# EAGLE board working (EAGLE 9.6.2), part 17 of 28
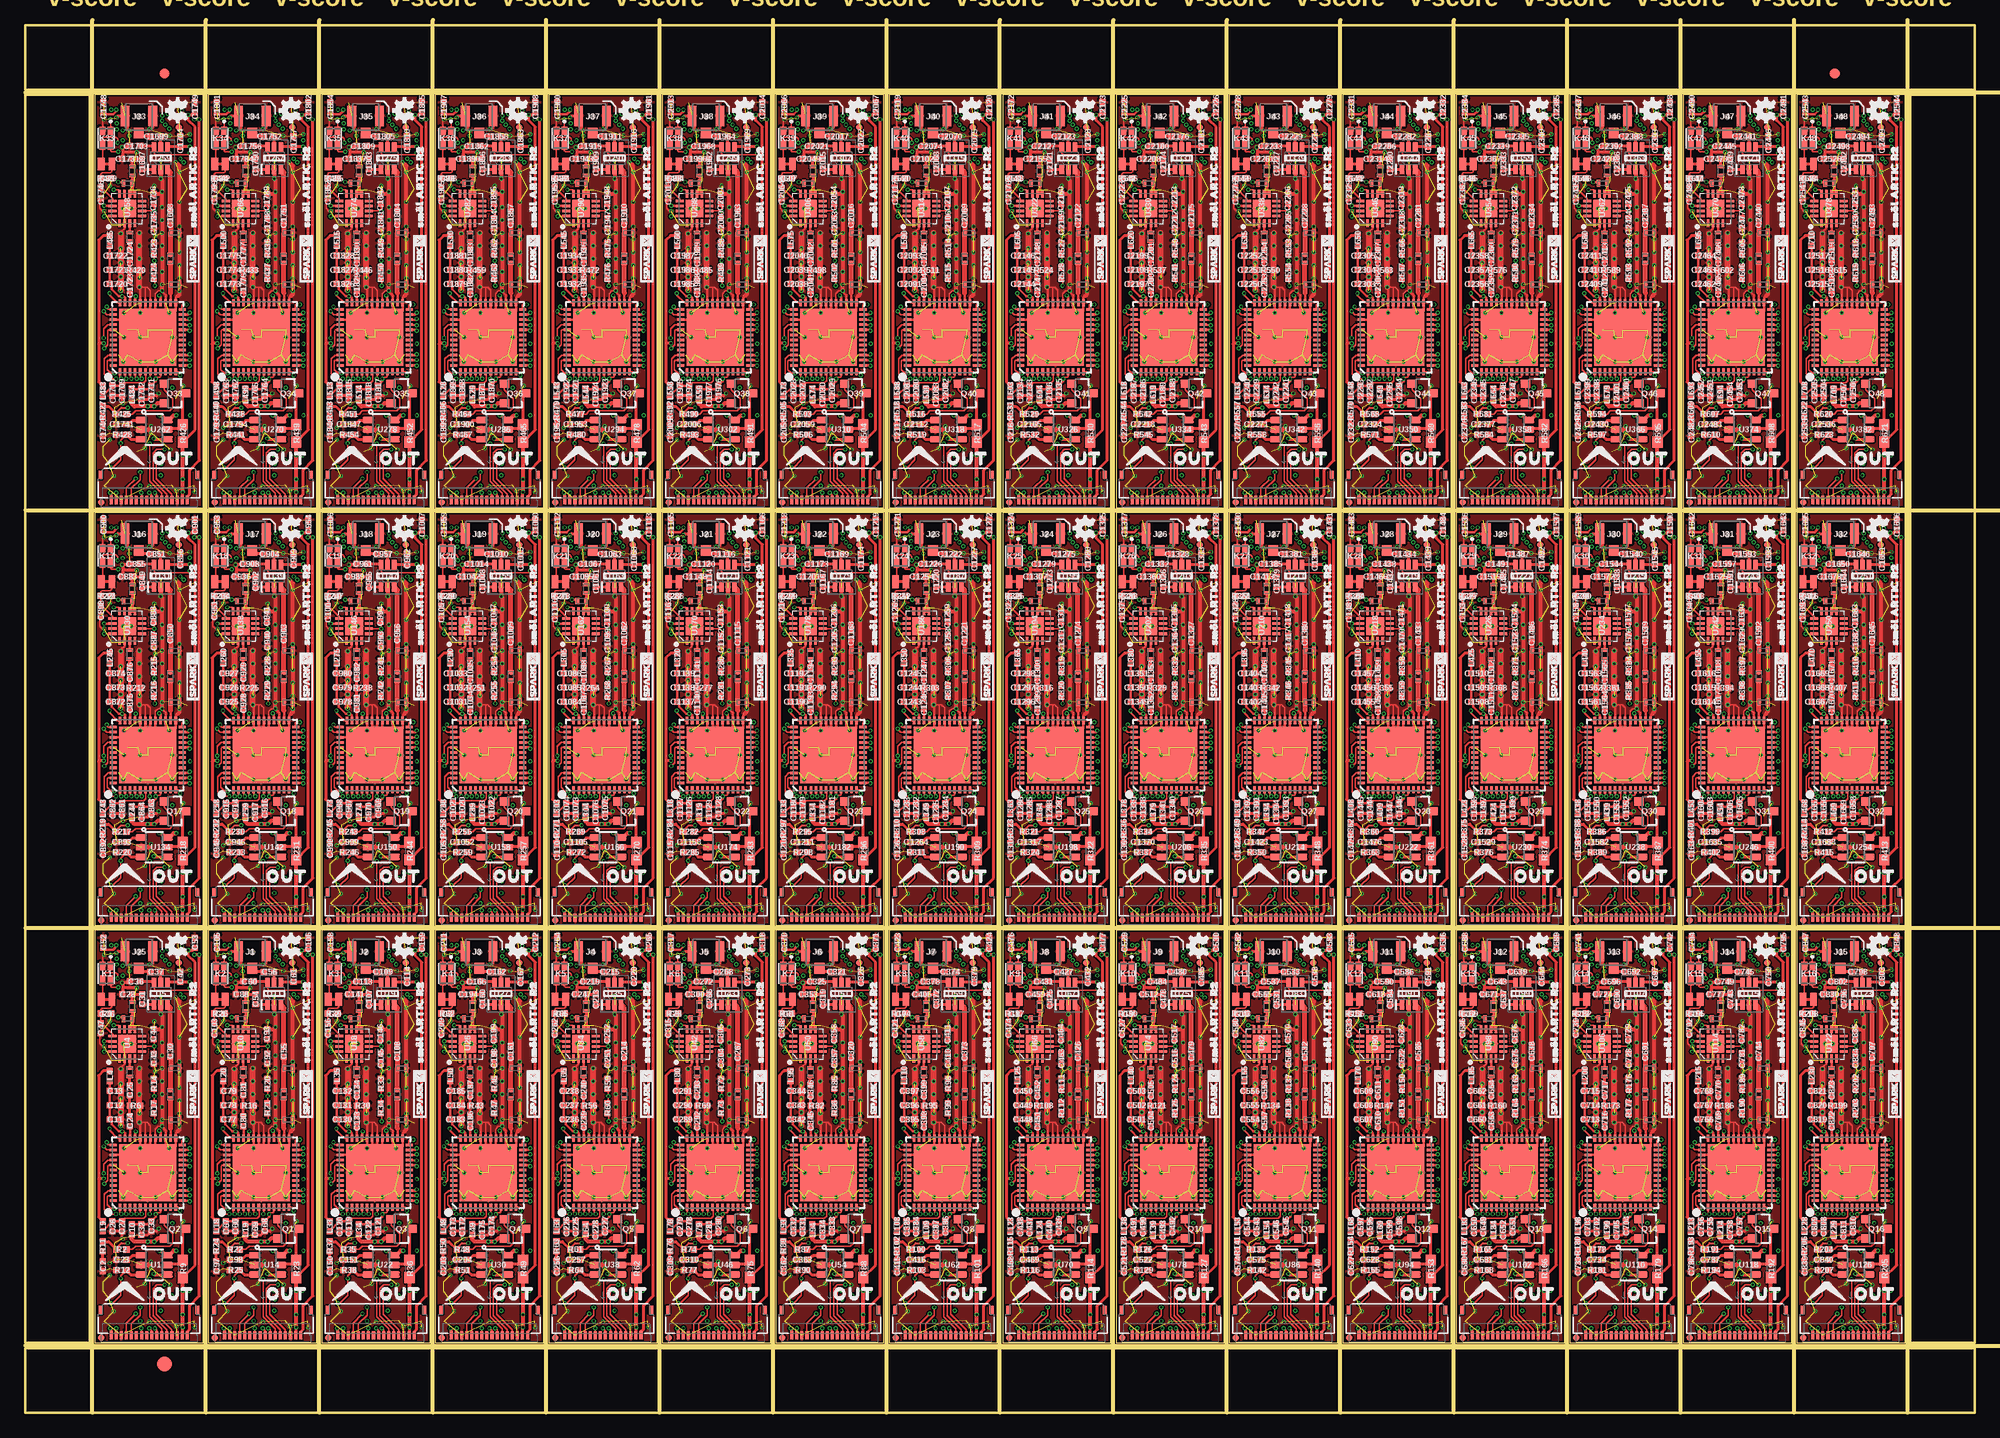
[diagram p0: board, top side]
## Tracks (layer width: path | path; a pad name or v marks a point on that pad's centre or on a via) (continued)
GND20  (via drill 0.2)  (89 unrouted) (continued)
  Bottom 0.152: U167.4 60.44,59.83 v60.26,60.01 | v54.23,83.5 53.47,83.5 52.46,82.49 R265.2 C1089.1 52.46,80.26 v53.02,79.69 | X21.2 53,65.1 51.82,65.1 | C1065.2 51.82,54.61 51.82,62.05 | 51.82,65.1 51.82,68.27 52,68.45 C1078.2 52.59,68.45 53.49,67.55 53.83,67.55 54.2,67.18 v54.42,67.18 | 51.82,65.1 51.82,62.05 | R263.2 51.83,62.05 51.82,62.05
  Bottom 0.254: X21.1 54.8,65.15 v54.42,64.77
  Bottom 0.305: C1109.2 58.36,58.74 v57.85,59.25
  Bottom 0.406: v53.02,55.88 53.02,55.37 U164.2 53.02,55.25 v53.02,54.67
  other vias: 59.88,70.61 59.88,69.34 59.88,73.15 59.88,74.42 56.01,64.77 54.36,62.36 56.01,62.36 57.53,62.36 59.18,62.36 59.88,71.88 54.1,69.34 54.36,77.47 55.12,77.47 57.4,79.69 60.9,84.77 58.04,82.17 59.88,78.11 59.88,81.03 59.56,49.66 61.4,49.53 56.45,53.85 59.88,86.49 59.18,64.77 56.9,50.1 53.4,51.12 58.99,53.72 58.86,67.18 58.93,84.65 57.49,74.76 52.9,52.39
  cutout Route2 (isolate 0.305): 58.42,81.79 59.56,81.79 59.56,69.09 59.31,68.83 59.31,67.69 58.67,67.69 58.67,68.96 58.42,69.22
  pour Top (isolate 0.152, rank 3): 51.56,88.65 62.23,88.65 62.23,48.01 51.56,48.01
  pour Route2 (isolate 0.152, rank 2): 51.56,88.65 62.23,88.65 62.23,48.01 51.56,48.01
  pour Route15 (isolate 0.152, rank 2): 51.56,88.65 62.23,88.65 62.23,48.01 51.56,48.01
  pour Bottom (isolate 0.152, rank 2): 51.56,88.65 62.23,88.65 62.23,48.01 51.56,48.01
  pour Top (isolate 0.102): 53.85,76.33 56.26,76.33 56.26,67.44 53.85,67.44
  pour Top (isolate 0.102): 57.98,81.79 60.07,81.79 60.07,67.44 57.98,67.44
  pour Top (isolate 0.102): 54.48,82.74 57.98,82.74 57.98,78.3 54.48,78.3
  pour Top (isolate 0.102): 53.91,87.76 58.48,87.76 58.48,82.74 53.91,82.74
GND21  (via drill 0.2)  (89 unrouted)
  Top 0.152: U169.30 68.2,69.41 67.88,69.72 67.69,69.72 | v67.12,69.72 67.69,69.72 | U169.31 67.7,69.72 67.69,69.72 | U169.29 68.68,68.19 68.68,69.06 68.96,69.34 v69.34,69.34 | v63.63,77.22 63.44,77.22 63.18,77.47 63.18,78.37 C1163.1 | K22.2 63.48,86.09 v63.63,86.23
  Top 0.203: U170.2 65.66,75.51 65.28,75.12 v65.28,74.99
  Top 0.254: v69.34,69.34 69.34,69.28 69.7,68.93 U169.27 69.7,67.08 69.72,67.06 | 70.87,68.83 70.7,68.66 U169.25 70.7,67.39 70.36,67.06 69.72,67.06 | v67.2,67.2 U169.32 67.2,69.65 v67.12,69.72 | v67.2,67.2 v67.18,67.18 | U169.39 65.35,66.52 65.59,66.76 v65.59,67.18 | 69.72,67.06 68.71,67.06 | 68.71,67.06 68.2,67.06 | 68.2,67.06 67.69,67.06 | 67.69,67.06 67.33,67.06 v67.2,67.2 | U169.31 67.7,67.06 67.69,67.06 | U169.30 68.2,67.06 | U169.29 68.7,67.07 68.71,67.06
  Top 0.305: v64.83,86.42 65,86.59 J21.2 65.91,86.36 65.91,85.34 v66.1,85.15 | v68.07,85.28 68.26,85.28 68.43,85.45 J21.1 | C1129.2 67.95,58.68 C1128.2 68.78,59 v69.02,59.25 | v65.47,58.29 65.41,58.36 C1126.2 C1127.2 | C1148.1 65.41,82.49 65.53,82.61 65.53,82.99 | 65.53,82.99 65.53,83.38 v65.41,83.5 66.05,83.5 C1120.2 | v66.87,82.99 65.53,82.99
  Top 0.406: 70.87,68.83 71.04,69.01 L327.P$1 L328.P$1 71.04,75.68 v71.06,75.69 71.06,81.66 v70.68,82.04 | 67.18,71.37 R277.1 | v69.34,69.34 v69.34,69.98 v69.34,71.25 v69.34,72.52 v69.34,73.79 v69.34,75.06 v69.34,76.33 v69.34,77.6 v69.34,79.12 | C1153.2 69.14,78.92 v69.34,79.12 | v68.26,56.01 67.95,55.69 | U174.2 67.95,55.69 | v68.26,55.37 67.95,55.69 | U171.2 v69.22,80.39 69.34,80.26 v69.34,79.12
  Top 0.61: v67.12,69.72 v67.12,70.61 v67.12,72.52 v67.12,73.79 v67.12,75.06 | 65.28,69.46 v65.28,70.74 v65.28,72.14 v65.28,73.53 v65.28,74.99
  Bottom 0.152: U175.4 71.62,59.83 v71.44,60.01 | v65.41,83.5 64.64,83.5 63.63,82.49 R278.2 C1142.1 63.63,80.26 v64.2,79.69 | X22.2 64.17,65.1 63,65.1 | C1118.2 63,54.61 63,62.05 | 63,65.1 63,68.27 63.18,68.45 C1131.2 63.76,68.45 64.67,67.55 65.01,67.55 65.37,67.18 v65.59,67.18 | 63,65.1 63,62.05 | R276.2 63,62.05
  Bottom 0.254: X22.1 65.98,65.15 v65.59,64.77
  Bottom 0.305: C1162.2 69.53,58.74 v69.02,59.25
  Bottom 0.406: v64.2,55.88 64.2,55.37 U172.2 64.2,55.25 v64.2,54.67
  other vias: 71.06,70.61 71.06,69.34 71.06,73.15 71.06,74.42 67.18,64.77 65.53,62.36 67.18,62.36 68.71,62.36 70.36,62.36 71.06,71.88 65.28,69.34 65.53,77.47 66.29,77.47 68.58,79.69 72.07,84.77 69.22,82.17 71.06,78.11 71.06,81.03 70.74,49.66 72.58,49.53 67.63,53.85 71.06,86.49 70.36,64.77 68.07,50.1 64.58,51.12 70.17,53.72 70.04,67.18 70.1,84.65 68.67,74.76 64.07,52.39
  cutout Route2 (isolate 0.305): 69.6,81.79 70.74,81.79 70.74,69.09 70.48,68.83 70.48,67.69 69.85,67.69 69.85,68.96 69.6,69.22
  pour Top (isolate 0.152, rank 3): 62.74,88.65 73.41,88.65 73.41,48.01 62.74,48.01
  pour Route2 (isolate 0.152, rank 2): 62.74,88.65 73.41,88.65 73.41,48.01 62.74,48.01
  pour Route15 (isolate 0.152, rank 2): 62.74,88.65 73.41,88.65 73.41,48.01 62.74,48.01
  pour Bottom (isolate 0.152, rank 2): 62.74,88.65 73.41,88.65 73.41,48.01 62.74,48.01
  pour Top (isolate 0.102): 65.02,76.33 67.44,76.33 67.44,67.44 65.02,67.44
  pour Top (isolate 0.102): 69.15,81.79 71.25,81.79 71.25,67.44 69.15,67.44
  pour Top (isolate 0.102): 65.66,82.74 69.15,82.74 69.15,78.3 65.66,78.3
  pour Top (isolate 0.102): 65.09,87.76 69.66,87.76 69.66,82.74 65.09,82.74
GND22  (via drill 0.2)  (89 unrouted)
  Top 0.152: U177.30 79.37,69.41 79.06,69.72 78.87,69.72 | v78.3,69.72 78.87,69.72 | U177.31 78.87,69.72 | U177.29 79.85,68.19 79.85,69.06 80.13,69.34 v80.52,69.34 | v74.8,77.22 74.61,77.22 74.36,77.47 74.36,78.37 C1216.1 | K23.2 74.66,86.09 v74.8,86.23
  Top 0.203: U178.2 76.84,75.51 76.45,75.12 v76.45,74.99
  Top 0.254: v80.52,69.34 80.52,69.28 80.87,68.93 U177.27 80.87,67.08 80.9,67.06 | 82.04,68.83 81.87,68.66 U177.25 81.87,67.39 81.53,67.06 80.9,67.06 | 78.37,67.2 U177.32 78.37,69.65 v78.3,69.72 | 78.37,67.2 v78.36,67.18 | U177.39 76.53,66.52 76.77,66.76 v76.77,67.18 | 80.9,67.06 79.88,67.06 | 79.88,67.06 79.38,67.06 | 79.38,67.06 78.87,67.06 | 78.87,67.06 78.51,67.06 78.37,67.2 | U177.31 78.87,67.06 | U177.30 79.37,67.06 79.38,67.06 | U177.29 79.87,67.07 79.88,67.06
  Top 0.305: v76.01,86.42 76.17,86.59 J22.2 77.09,86.36 77.09,85.34 v77.28,85.15 | v79.25,85.28 79.44,85.28 79.61,85.45 J22.1 | C1182.2 79.12,58.68 C1181.2 79.95,59 v80.2,59.25 | v76.65,58.29 76.58,58.36 C1179.2 C1180.2 | C1201.1 76.59,82.49 76.71,82.61 76.71,82.99 | 76.71,82.99 76.71,83.38 v76.58,83.5 77.22,83.5 C1173.2 | v78.04,82.99 76.71,82.99
  Top 0.406: 82.04,68.83 82.22,69.01 L342.P$1 L343.P$1 v82.22,75.68 v82.23,75.69 82.23,81.66 v81.85,82.04 | 78.36,71.37 R290.1 | v80.52,69.34 v80.52,69.98 v80.52,71.25 v80.52,72.52 v80.52,73.79 v80.52,75.06 v80.52,76.33 v80.52,77.6 v80.52,79.12 | C1206.2 80.32,78.92 v80.52,79.12 | v79.44,56.01 79.12,55.69 | U182.2 79.12,55.69 | v79.44,55.37 79.12,55.69 | U179.2 v80.39,80.39 80.52,80.26 v80.52,79.12
  Top 0.61: v78.3,69.72 v78.3,70.61 v78.3,72.52 v78.3,73.79 v78.3,75.06 | 76.45,69.46 v76.45,70.74 v76.45,72.14 v76.45,73.53 v76.45,74.99
  Bottom 0.152: U183.4 82.79,59.83 v82.61,60.01 | v76.58,83.5 75.82,83.5 74.81,82.49 R291.2 C1195.1 74.81,80.26 v75.37,79.69 | X23.2 75.35,65.1 74.17,65.1 | C1171.2 74.17,54.61 74.17,62.05 | 74.17,65.1 74.17,68.27 74.36,68.45 C1184.2 74.94,68.45 75.85,67.55 76.19,67.55 76.55,67.18 v76.77,67.18 | 74.17,65.1 74.17,62.05 | R289.2 74.18,62.05 74.17,62.05
  Bottom 0.254: X23.1 77.15,65.15 v76.77,64.77
  Bottom 0.305: C1215.2 80.71,58.74 v80.2,59.25
  Bottom 0.406: v75.37,55.88 75.37,55.37 U180.2 75.37,55.25 v75.37,54.67
  other vias: 82.23,70.61 82.23,69.34 82.23,73.15 82.23,74.42 78.36,64.77 76.71,62.36 78.36,62.36 79.88,62.36 81.53,62.36 82.23,71.88 76.45,69.34 76.71,77.47 77.47,77.47 79.76,79.69 83.25,84.77 80.39,82.17 82.23,78.11 82.23,81.03 81.92,49.66 83.76,49.53 78.8,53.85 82.23,86.49 81.53,64.77 79.25,50.1 75.76,51.12 81.34,53.72 81.22,67.18 81.28,84.65 79.84,74.76 75.25,52.39
  cutout Route2 (isolate 0.305): 80.77,81.79 81.92,81.79 81.92,69.09 81.66,68.83 81.66,67.69 81.03,67.69 81.03,68.96 80.77,69.22
  pour Top (isolate 0.152, rank 3): 73.91,88.65 84.58,88.65 84.58,48.01 73.91,48.01
  pour Route2 (isolate 0.152, rank 2): 73.91,88.65 84.58,88.65 84.58,48.01 73.91,48.01
  pour Route15 (isolate 0.152, rank 2): 73.91,88.65 84.58,88.65 84.58,48.01 73.91,48.01
  pour Bottom (isolate 0.152, rank 2): 73.91,88.65 84.58,88.65 84.58,48.01 73.91,48.01
  pour Top (isolate 0.102): 76.2,76.33 78.61,76.33 78.61,67.44 76.2,67.44
  pour Top (isolate 0.102): 80.33,81.79 82.42,81.79 82.42,67.44 80.33,67.44
  pour Top (isolate 0.102): 76.84,82.74 80.33,82.74 80.33,78.3 76.84,78.3
  pour Top (isolate 0.102): 76.26,87.76 80.84,87.76 80.84,82.74 76.26,82.74
GND23  (via drill 0.2)  (89 unrouted)
  Top 0.152: U185.30 90.55,69.41 90.23,69.72 90.04,69.72 | v89.47,69.72 90.04,69.72 | U185.31 90.05,69.72 90.04,69.72 | U185.29 91.03,68.19 91.03,69.06 91.31,69.34 v91.69,69.34 | v85.98,77.22 85.79,77.22 85.54,77.47 85.54,78.37 C1269.1 | K24.2 85.83,86.09 v85.98,86.23
  Top 0.203: U186.2 88.02,75.51 87.63,75.12 v87.63,74.99
  Top 0.254: v91.69,69.34 91.69,69.28 92.05,68.93 U185.27 92.05,67.08 92.08,67.06 | 93.22,68.83 93.05,68.66 U185.25 93.05,67.39 92.71,67.06 92.08,67.06 | v89.55,67.2 U185.32 89.55,69.65 v89.47,69.72 | v89.55,67.2 v89.54,67.18 | U185.39 87.7,66.52 87.95,66.76 v87.95,67.18 | 92.08,67.06 91.06,67.06 | 91.06,67.06 90.55,67.06 | 90.55,67.06 90.04,67.06 | 90.04,67.06 89.69,67.06 v89.55,67.2 | U185.31 90.05,67.06 90.04,67.06 | U185.30 90.55,67.06 | U185.29 91.05,67.07 91.06,67.06
  Top 0.305: v87.19,86.42 87.35,86.59 J23.2 88.27,86.36 88.27,85.34 v88.45,85.15 | v90.42,85.28 90.62,85.28 90.78,85.45 J23.1 | C1235.2 90.3,58.68 C1234.2 91.13,59 v91.38,59.25 | v87.82,58.29 87.76,58.36 C1232.2 C1233.2 | C1254.1 87.77,82.49 87.88,82.61 87.88,82.99 | 87.88,82.99 87.88,83.38 v87.76,83.5 88.4,83.5 C1226.2 | v89.22,82.99 87.88,82.99
  Top 0.406: 93.22,68.83 93.4,69.01 L357.P$1 L358.P$1 93.4,75.68 v93.41,75.69 93.41,81.66 v93.03,82.04 | 89.54,71.37 R303.1 | v91.69,69.34 v91.69,69.98 v91.69,71.25 v91.69,72.52 v91.69,73.79 v91.69,75.06 v91.69,76.33 v91.69,77.6 v91.69,79.12 | C1259.2 91.5,78.92 v91.69,79.12 | v90.62,56.01 90.3,55.69 | U190.2 90.3,55.69 | v90.62,55.37 90.3,55.69 | U187.2 v91.57,80.39 91.69,80.26 v91.69,79.12
  Top 0.61: v89.47,69.72 v89.47,70.61 v89.47,72.52 v89.47,73.79 v89.47,75.06 | 87.63,69.46 v87.63,70.74 v87.63,72.14 v87.63,73.53 v87.63,74.99
  Bottom 0.152: U191.4 93.97,59.83 v93.79,60.01 | v87.76,83.5 87,83.5 85.99,82.49 R304.2 C1248.1 85.99,80.26 v86.55,79.69 | X24.2 86.53,65.1 85.35,65.1 | C1224.2 85.35,54.61 85.35,62.05 | 85.35,65.1 85.35,68.27 85.53,68.45 C1237.2 86.11,68.45 87.02,67.55 87.36,67.55 87.73,67.18 v87.95,67.18 | 85.35,65.1 85.35,62.05 | R302.2 85.35,62.05
  Bottom 0.254: X24.1 88.33,65.15 v87.95,64.77
  Bottom 0.305: C1268.2 91.88,58.74 v91.38,59.25
  Bottom 0.406: v86.55,55.88 86.55,55.37 U188.2 86.55,55.25 v86.55,54.67
  other vias: 93.41,70.61 93.41,69.34 93.41,73.15 93.41,74.42 89.54,64.77 87.88,62.36 89.54,62.36 91.06,62.36 92.71,62.36 93.41,71.88 87.63,69.34 87.88,77.47 88.65,77.47 90.93,79.69 94.42,84.77 91.57,82.17 93.41,78.11 93.41,81.03 93.09,49.66 94.93,49.53 89.98,53.85 93.41,86.49 92.71,64.77 90.42,50.1 86.93,51.12 92.52,53.72 92.39,67.18 92.46,84.65 91.02,74.76 86.42,52.39
  cutout Route2 (isolate 0.305): 91.95,81.79 93.09,81.79 93.09,69.09 92.84,68.83 92.84,67.69 92.2,67.69 92.2,68.96 91.95,69.22
  pour Top (isolate 0.152, rank 3): 85.09,88.65 95.76,88.65 95.76,48.01 85.09,48.01
  pour Route2 (isolate 0.152, rank 2): 85.09,88.65 95.76,88.65 95.76,48.01 85.09,48.01
  pour Route15 (isolate 0.152, rank 2): 85.09,88.65 95.76,88.65 95.76,48.01 85.09,48.01
  pour Bottom (isolate 0.152, rank 2): 85.09,88.65 95.76,88.65 95.76,48.01 85.09,48.01
  pour Top (isolate 0.102): 87.38,76.33 89.79,76.33 89.79,67.44 87.38,67.44
  pour Top (isolate 0.102): 91.5,81.79 93.6,81.79 93.6,67.44 91.5,67.44
  pour Top (isolate 0.102): 88.01,82.74 91.5,82.74 91.5,78.3 88.01,78.3
  pour Top (isolate 0.102): 87.44,87.76 92.01,87.76 92.01,82.74 87.44,82.74
GND24  (via drill 0.2)  (89 unrouted)
  Top 0.152: U193.30 101.72,69.41 101.41,69.72 101.22,69.72 | v100.65,69.72 101.22,69.72 | U193.31 101.22,69.72 | U193.29 102.2,68.19 102.2,69.06 102.48,69.34 v102.87,69.34 | v97.16,77.22 96.96,77.22 96.71,77.47 96.71,78.37 C1322.1 | K25.2 97.01,86.09 v97.16,86.23
  Top 0.203: U194.2 99.19,75.51 98.81,75.12 v98.81,74.99
  Top 0.254: v102.87,69.34 102.87,69.28 103.22,68.93 U193.27 103.22,67.08 103.25,67.06 | 104.39,68.83 104.22,68.66 U193.25 104.22,67.39 103.89,67.06 103.25,67.06 | 100.72,67.2 U193.32 100.72,69.65 v100.65,69.72 | 100.72,67.2 v100.71,67.18 | U193.39 98.88,66.52 99.12,66.76 v99.12,67.18 | 103.25,67.06 102.23,67.06 | 102.23,67.06 101.73,67.06 | 101.73,67.06 101.22,67.06 | 101.22,67.06 100.86,67.06 100.72,67.2 | U193.31 101.22,67.06 | U193.30 101.72,67.06 101.73,67.06 | U193.29 102.22,67.07 102.23,67.06
  Top 0.305: v98.36,86.42 98.53,86.59 J24.2 99.44,86.36 99.44,85.34 v99.63,85.15 | v101.6,85.28 101.79,85.28 101.96,85.45 J24.1 | C1288.2 101.47,58.68 C1287.2 102.31,59 v102.55,59.25 | v99,58.29 98.93,58.36 C1285.2 C1286.2 | C1307.1 98.94,82.49 99.06,82.61 99.06,82.99 | 99.06,82.99 99.06,83.38 v98.93,83.5 99.58,83.5 C1279.2 | v100.39,82.99 99.06,82.99
  Top 0.406: 104.39,68.83 104.57,69.01 L372.P$1 L373.P$1 104.57,75.68 v104.59,75.69 104.59,81.66 v104.2,82.04 | 100.71,71.37 R316.1 | v102.87,69.34 v102.87,69.98 v102.87,71.25 v102.87,72.52 v102.87,73.79 v102.87,75.06 v102.87,76.33 v102.87,77.6 v102.87,79.12 | C1312.2 102.67,78.92 v102.87,79.12 | v101.79,56.01 101.47,55.69 | U198.2 101.47,55.69 | v101.79,55.37 101.47,55.69 | U195.2 v102.74,80.39 102.87,80.26 v102.87,79.12
  Top 0.61: v100.65,69.72 v100.65,70.61 v100.65,72.52 v100.65,73.79 v100.65,75.06 | 98.81,69.46 v98.81,70.74 v98.81,72.14 v98.81,73.53 v98.81,74.99
  Bottom 0.152: U199.4 105.14,59.83 v104.97,60.01 | v98.93,83.5 98.17,83.5 97.16,82.49 R317.2 C1301.1 97.16,80.26 v97.73,79.69 | X25.2 97.7,65.1 96.53,65.1 | C1277.2 96.53,54.61 96.53,62.05 | 96.53,65.1 96.53,68.27 96.71,68.45 C1290.2 97.29,68.45 98.2,67.55 98.54,67.55 98.9,67.18 v99.12,67.18 | 96.53,65.1 96.53,62.05 | R315.2 96.53,62.05
  Bottom 0.254: X25.1 99.51,65.15 v99.12,64.77
  Bottom 0.305: C1321.2 103.06,58.74 v102.55,59.25
  Bottom 0.406: v97.73,55.88 97.73,55.37 U196.2 97.73,55.25 v97.73,54.67
  other vias: 104.58,70.61 104.58,69.34 104.58,73.15 104.58,74.42 100.71,64.77 99.06,62.36 100.71,62.36 102.23,62.36 103.89,62.36 104.58,71.88 98.81,69.34 99.06,77.47 99.82,77.47 102.11,79.69 105.6,84.77 102.74,82.17 104.58,78.11 104.58,81.03 104.27,49.66 106.11,49.53 101.16,53.85 104.58,86.49 103.89,64.77 101.6,50.1 98.11,51.12 103.7,53.72 103.57,67.18 103.63,84.65 102.2,74.76 97.6,52.39
  cutout Route2 (isolate 0.305): 103.12,81.79 104.27,81.79 104.27,69.09 104.01,68.83 104.01,67.69 103.38,67.69 103.38,68.96 103.12,69.22
  pour Top (isolate 0.152, rank 3): 96.27,88.65 106.93,88.65 106.93,48.01 96.27,48.01
  pour Route2 (isolate 0.152, rank 2): 96.27,88.65 106.93,88.65 106.93,48.01 96.27,48.01
  pour Route15 (isolate 0.152, rank 2): 96.27,88.65 106.93,88.65 106.93,48.01 96.27,48.01
  pour Bottom (isolate 0.152, rank 2): 96.27,88.65 106.93,88.65 106.93,48.01 96.27,48.01
  pour Top (isolate 0.102): 98.55,76.33 100.97,76.33 100.97,67.44 98.55,67.44
  pour Top (isolate 0.102): 102.68,81.79 104.78,81.79 104.78,67.44 102.68,67.44
  pour Top (isolate 0.102): 99.19,82.74 102.68,82.74 102.68,78.3 99.19,78.3
  pour Top (isolate 0.102): 98.62,87.76 103.19,87.76 103.19,82.74 98.62,82.74
GND25  (via drill 0.2)  (89 unrouted)
  Top 0.152: U201.30 112.9,69.41 112.59,69.72 112.4,69.72 | v111.82,69.72 112.4,69.72 | U201.31 112.4,69.72 | U201.29 113.38,68.19 113.38,69.06 113.66,69.34 v114.05,69.34 | v108.33,77.22 108.14,77.22 107.89,77.47 107.89,78.37 C1375.1 | K26.2 108.19,86.09 v108.33,86.23
  Top 0.203: U202.2 110.37,75.51 109.98,75.12 v109.98,74.99
  Top 0.254: v114.05,69.34 114.05,69.28 114.4,68.93 U201.27 114.4,67.08 114.43,67.06 | 115.57,68.83 115.4,68.66 U201.25 115.4,67.39 115.06,67.06 114.43,67.06 | v111.9,67.2 U201.32 111.9,69.65 v111.82,69.72 | v111.9,67.2 v111.89,67.18 | U201.39 110.06,66.52 110.3,66.76 v110.3,67.18 | 114.43,67.06 113.41,67.06 | 113.41,67.06 112.9,67.06 | 112.9,67.06 112.4,67.06 | 112.4,67.06 112.04,67.06 v111.9,67.2 | U201.31 112.4,67.06 | U201.30 112.9,67.06 | U201.29 113.4,67.07 113.41,67.06
  Top 0.305: v109.54,86.42 109.7,86.59 J26.2 110.62,86.36 110.62,85.34 v110.81,85.15 | v112.78,85.28 112.97,85.28 113.14,85.45 J26.1 | C1341.2 112.65,58.68 C1340.2 113.48,59 v113.73,59.25 | v110.17,58.29 110.11,58.36 C1338.2 C1339.2 | C1360.1 110.12,82.49 110.24,82.61 110.24,82.99 | 110.24,82.99 110.24,83.38 v110.11,83.5 110.75,83.5 C1332.2 | v111.57,82.99 110.24,82.99
  Top 0.406: 115.57,68.83 115.75,69.01 L387.P$1 L388.P$1 v115.75,75.68 v115.76,75.69 115.76,81.66 v115.38,82.04 | 111.89,71.37 R329.1 | v114.05,69.34 v114.05,69.98 v114.05,71.25 v114.05,72.52 v114.05,73.79 v114.05,75.06 v114.05,76.33 v114.05,77.6 v114.05,79.12 | C1365.2 113.85,78.92 v114.05,79.12 | v112.97,56.01 112.65,55.69 | U206.2 112.65,55.69 | v112.97,55.37 112.65,55.69 | U203.2 v113.92,80.39 114.05,80.26 v114.05,79.12
  Top 0.61: v111.82,69.72 v111.82,70.61 v111.82,72.52 v111.82,73.79 v111.82,75.06 | 109.98,69.46 v109.98,70.74 v109.98,72.14 v109.98,73.53 v109.98,74.99
  Bottom 0.152: U207.4 116.32,59.83 v116.14,60.01 | v110.11,83.5 109.35,83.5 108.34,82.49 R330.2 C1354.1 108.34,80.26 v108.9,79.69 | X26.2 108.88,65.1 107.7,65.1 | C1330.2 107.7,54.61 107.7,62.05 | 107.7,65.1 107.7,68.27 107.88,68.45 C1343.2 108.47,68.45 109.37,67.55 109.72,67.55 110.08,67.18 v110.3,67.18 | 107.7,65.1 107.7,62.05 | R328.2 107.7,62.05
  Bottom 0.254: X26.1 110.68,65.15 v110.3,64.77
  Bottom 0.305: C1374.2 114.24,58.74 v113.73,59.25
  Bottom 0.406: v108.9,55.88 108.9,55.37 U204.2 108.9,55.25 v108.9,54.67
  other vias: 115.76,70.61 115.76,69.34 115.76,73.15 115.76,74.42 111.89,64.77 110.24,62.36 111.89,62.36 113.41,62.36 115.06,62.36 115.76,71.88 109.98,69.34 110.24,77.47 111,77.47 113.28,79.69 116.78,84.77 113.92,82.17 115.76,78.11 115.76,81.03 115.44,49.66 117.28,49.53 112.33,53.85 115.76,86.49 115.06,64.77 112.78,50.1 109.28,51.12 114.87,53.72 114.74,67.18 114.81,84.65 113.37,74.76 108.78,52.39
  cutout Route2 (isolate 0.305): 114.3,81.79 115.44,81.79 115.44,69.09 115.19,68.83 115.19,67.69 114.55,67.69 114.55,68.96 114.3,69.22
  pour Top (isolate 0.152, rank 3): 107.44,88.65 118.11,88.65 118.11,48.01 107.44,48.01
  pour Route2 (isolate 0.152, rank 2): 107.44,88.65 118.11,88.65 118.11,48.01 107.44,48.01
  pour Route15 (isolate 0.152, rank 2): 107.44,88.65 118.11,88.65 118.11,48.01 107.44,48.01
  pour Bottom (isolate 0.152, rank 2): 107.44,88.65 118.11,88.65 118.11,48.01 107.44,48.01
  pour Top (isolate 0.102): 109.73,76.33 112.14,76.33 112.14,67.44 109.73,67.44
  pour Top (isolate 0.102): 113.86,81.79 115.95,81.79 115.95,67.44 113.86,67.44
  pour Top (isolate 0.102): 110.36,82.74 113.86,82.74 113.86,78.3 110.36,78.3
  pour Top (isolate 0.102): 109.79,87.76 114.36,87.76 114.36,82.74 109.79,82.74
GND26  (via drill 0.2)  (89 unrouted)
  Top 0.152: U209.30 124.08,69.41 123.76,69.72 123.57,69.72 | v123,69.72 123.57,69.72 | U209.31 123.58,69.72 123.57,69.72 | U209.29 124.56,68.19 124.56,69.06 124.84,69.34 v125.22,69.34 | v119.51,77.22 119.32,77.22 119.06,77.47 119.06,78.37 C1428.1 | K27.2 119.36,86.09 v119.51,86.23
  Top 0.203: U210.2 121.54,75.51 121.16,75.12 v121.16,74.99
  Top 0.254: v125.22,69.34 125.22,69.28 125.58,68.93 U209.27 125.58,67.08 125.6,67.06 | 126.75,68.83 126.58,68.66 U209.25 126.58,67.39 126.24,67.06 125.6,67.06 | 123.08,67.2 U209.32 123.08,69.65 v123,69.72 | 123.08,67.2 v123.06,67.18 | U209.39 121.23,66.52 121.48,66.76 v121.48,67.18 | 125.6,67.06 124.59,67.06 | 124.59,67.06 124.08,67.06 | 124.08,67.06 123.57,67.06 | 123.57,67.06 123.21,67.06 123.08,67.2 | U209.31 123.58,67.06 123.57,67.06 | U209.30 124.08,67.06 | U209.29 124.58,67.07 124.59,67.06
  Top 0.305: v120.71,86.42 120.88,86.59 J27.2 121.79,86.36 121.79,85.34 v121.98,85.15 | v123.95,85.28 124.14,85.28 124.31,85.45 J27.1 | C1394.2 123.83,58.68 C1393.2 124.66,59 v124.9,59.25 | v121.35,58.29 121.29,58.36 C1391.2 C1392.2 | C1413.1 121.29,82.49 121.41,82.61 121.41,82.99 | 121.41,82.99 121.41,83.38 v121.29,83.5 121.93,83.5 C1385.2 | v122.75,82.99 121.41,82.99
  Top 0.406: 126.75,68.83 126.92,69.01 L402.P$1 L403.P$1 126.92,75.68 v126.94,75.69 126.94,81.66 v126.56,82.04 | 123.06,71.37 R342.1 | v125.22,69.34 v125.22,69.98 v125.22,71.25 v125.22,72.52 v125.22,73.79 v125.22,75.06 v125.22,76.33 v125.22,77.6 v125.22,79.12 | C1418.2 125.02,78.92 v125.22,79.12 | v124.14,56.01 123.83,55.69 | U214.2 123.83,55.69 | v124.14,55.37 123.83,55.69 | U211.2 v125.09,80.39 125.22,80.26 v125.22,79.12
  Top 0.61: v123,69.72 v123,70.61 v123,72.52 v123,73.79 v123,75.06 | 121.16,69.46 v121.16,70.74 v121.16,72.14 v121.16,73.53 v121.16,74.99
  Bottom 0.152: U215.4 127.5,59.83 v127.32,60.01 | v121.29,83.5 120.52,83.5 119.52,82.49 R343.2 C1407.1 119.52,80.26 v120.08,79.69 | X27.2 120.06,65.1 118.88,65.1 | C1383.2 118.88,54.61 118.88,62.05 | 118.88,65.1 118.88,68.27 119.06,68.45 C1396.2 119.64,68.45 120.55,67.55 120.89,67.55 121.25,67.18 v121.48,67.18 | 118.88,65.1 118.88,62.05 | R341.2 118.88,62.05
  Bottom 0.254: X27.1 121.86,65.15 v121.48,64.77
  Bottom 0.305: C1427.2 125.41,58.74 v124.9,59.25
  Bottom 0.406: v120.08,55.88 120.08,55.37 U212.2 120.08,55.25 v120.08,54.67
  other vias: 126.94,70.61 126.94,69.34 126.94,73.15 126.94,74.42 123.06,64.77 121.41,62.36 123.06,62.36 124.59,62.36 126.24,62.36 126.94,71.88 121.16,69.34 121.41,77.47 122.17,77.47 124.46,79.69 127.95,84.77 125.09,82.17 126.94,78.11 126.94,81.03 126.62,49.66 128.46,49.53 123.51,53.85 126.94,86.49 126.24,64.77 123.95,50.1 120.46,51.12 126.05,53.72 125.92,67.18 125.98,84.65 124.55,74.76 119.95,52.39
  cutout Route2 (isolate 0.305): 125.48,81.79 126.62,81.79 126.62,69.09 126.37,68.83 126.37,67.69 125.73,67.69 125.73,68.96 125.48,69.22
  pour Top (isolate 0.152, rank 3): 118.62,88.65 129.29,88.65 129.29,48.01 118.62,48.01
  pour Route2 (isolate 0.152, rank 2): 118.62,88.65 129.29,88.65 129.29,48.01 118.62,48.01
  pour Route15 (isolate 0.152, rank 2): 118.62,88.65 129.29,88.65 129.29,48.01 118.62,48.01
  pour Bottom (isolate 0.152, rank 2): 118.62,88.65 129.29,88.65 129.29,48.01 118.62,48.01
  pour Top (isolate 0.102): 120.9,76.33 123.32,76.33 123.32,67.44 120.9,67.44
  pour Top (isolate 0.102): 125.03,81.79 127.13,81.79 127.13,67.44 125.03,67.44
  pour Top (isolate 0.102): 121.54,82.74 125.03,82.74 125.03,78.3 121.54,78.3
  pour Top (isolate 0.102): 120.97,87.76 125.54,87.76 125.54,82.74 120.97,82.74
GND27  (via drill 0.2)  (89 unrouted)
  Top 0.152: U217.30 135.25,69.41 134.94,69.72 134.75,69.72 | v134.17,69.72 134.75,69.72 | U217.31 134.75,69.72 | U217.29 135.73,68.19 135.73,69.06 136.01,69.34 v136.4,69.34 | v130.68,77.22 130.49,77.22 130.24,77.47 130.24,78.37 C1481.1 | K28.2 130.54,86.09 v130.68,86.23
  Top 0.203: U218.2 132.72,75.51 132.33,75.12 v132.33,74.99
  Top 0.254: v136.4,69.34 136.4,69.28 136.75,68.93 U217.27 136.75,67.08 136.78,67.06 | 137.92,68.83 137.75,68.66 U217.25 137.75,67.39 137.41,67.06 136.78,67.06 | 134.25,67.2 U217.32 134.25,69.65 v134.17,69.72 | 134.25,67.2 v134.24,67.18 | U217.39 132.41,66.52 132.65,66.76 v132.65,67.18 | 136.78,67.06 135.76,67.06 | 135.76,67.06 135.25,67.06 | 135.25,67.06 134.75,67.06 | 134.75,67.06 134.39,67.06 134.25,67.2 | U217.31 134.75,67.06 | U217.30 135.25,67.06 | U217.29 135.75,67.07 135.76,67.06
  Top 0.305: v131.89,86.42 132.05,86.59 J28.2 132.97,86.36 132.97,85.34 v133.16,85.15 | v135.13,85.28 135.32,85.28 135.49,85.45 J28.1 | C1447.2 135,58.68 C1446.2 135.83,59 v136.08,59.25 | v132.52,58.29 132.46,58.36 C1444.2 C1445.2 | C1466.1 132.47,82.49 132.59,82.61 132.59,82.99 | 132.59,82.99 132.59,83.38 v132.46,83.5 133.1,83.5 C1438.2 | v133.92,82.99 132.59,82.99
  Top 0.406: 137.92,68.83 138.1,69.01 L417.P$1 L418.P$1 v138.1,75.68 v138.11,75.69 138.11,81.66 v137.73,82.04 | 134.24,71.37 R355.1 | v136.4,69.34 v136.4,69.98 v136.4,71.25 v136.4,72.52 v136.4,73.79 v136.4,75.06 v136.4,76.33 v136.4,77.6 v136.4,79.12 | C1471.2 136.2,78.92 v136.4,79.12 | v135.32,56.01 135,55.69 | U222.2 135,55.69 | v135.32,55.37 135,55.69 | U219.2 v136.27,80.39 136.4,80.26 v136.4,79.12
  Top 0.61: v134.17,69.72 v134.17,70.61 v134.17,72.52 v134.17,73.79 v134.17,75.06 | 132.33,69.46 v132.33,70.74 v132.33,72.14 v132.33,73.53 v132.33,74.99
  Bottom 0.152: U223.4 138.67,59.83 v138.49,60.01 | v132.46,83.5 131.7,83.5 130.69,82.49 R356.2 C1460.1 130.69,80.26 v131.25,79.69 | X28.2 131.23,65.1 130.05,65.1 | C1436.2 130.05,54.61 130.05,62.05 | 130.05,65.1 130.05,68.27 130.24,68.45 C1449.2 130.82,68.45 131.73,67.55 132.07,67.55 132.43,67.18 v132.65,67.18 | 130.05,65.1 130.05,62.05 | R354.2 130.06,62.05 130.05,62.05
  Bottom 0.254: X28.1 133.03,65.15 v132.65,64.77
  Bottom 0.305: C1480.2 136.59,58.74 v136.08,59.25
  Bottom 0.406: v131.25,55.88 131.25,55.37 U220.2 131.25,55.25 v131.25,54.67